# Altium PCB ushio_rp2040.PcbDoc (continued)
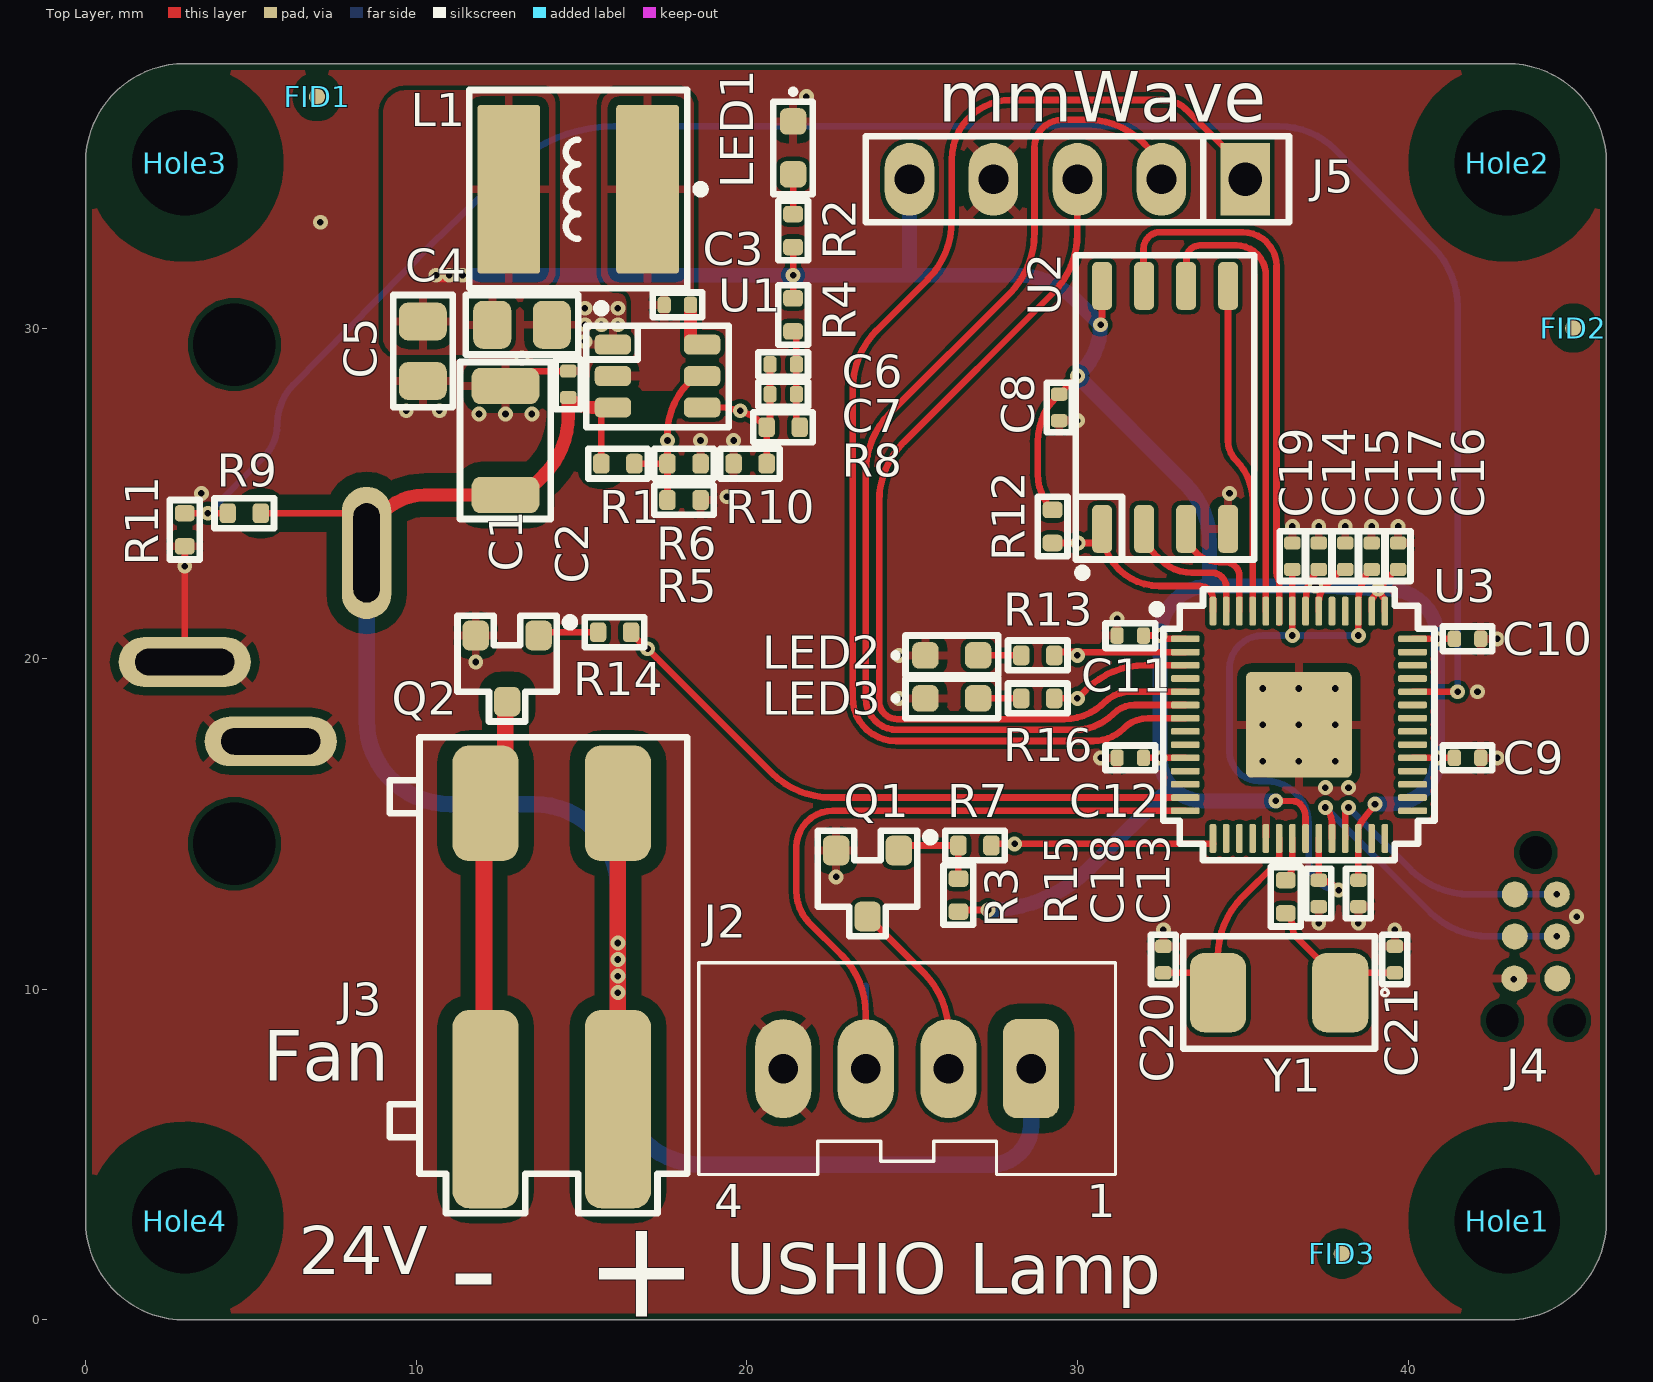
[diagram p0: Top Layer view]
## Components (designator, comment, footprint, x,y, rotation, side; value= is the part's Value field where it differs from the comment)
C1 "GRM32EC72A106KE05L" 1210_capacitor 12.7,26.6 r270 top
C2 "GRM155R61H474KE11D" 0402_capacitor 14.6,28.3 r270 top
C3 "GRM155R71E104KE14D" 0402_capacitor 17.9,30.7 r0 top
C4 "GRT21BR61E226ME13L" 0805_capacitor 13.2,30.1 r180 top value=22μF
C5 "GRT21BR61E226ME13L" 0805_capacitor 10.2,29.3 r90 top value=22μF
C6 "GCM1555C1H300FA16D" 0402_capacitor 21.1,28.9 r0 top value=30pF
C7 "GCM1555C1H300FA16D" 0402_capacitor 21.1,28 r0 top value=30pF
C8 "GRM155R71E104KE14D" 0402_capacitor 29.45,27.6 r90 top
C9 "GRM155R71E104KE14D" 0402_capacitor 41.8,17 r180 top
C10 "GRM155R71E104KE14D" 0402_capacitor 41.8,20.6 r180 top
C11 "GRM155R71E104KE14D" 0402_capacitor 31.6,20.7 r0 top
C12 "GRM155R71E104KE14D" 0402_capacitor 31.6,17 r0 top
C13 "GRM155R71E104KE14D" 0402_capacitor 38.5,12.9 r90 top
C14 "GRM155R71E104KE14D" 0402_capacitor 37.3,23.1 r270 top
C15 "GRM155R71E104KE14D" 0402_capacitor 38.1,23.1 r270 top
C16 "GRM155R61E105KA12D" 0402_capacitor 39.7,23.1 r270 top
C17 "GRM155R61E105KA12D" 0402_capacitor 38.9,23.1 r270 top
C18 "GRM155R71E104KE14D" 0402_capacitor 37.3,12.9 r90 top
C19 "GRM155R71E104KE14D" 0402_capacitor 36.5,23.1 r270 top
C20 "GCM1555C1H300FA16D" 0402_capacitor 32.6,10.9 r270 top value=30pF
C21 "GCM1555C1H300FA16D" 0402_capacitor 39.6,10.9 r270 top value=30pF
FID1 "FID?" fiducial-0.5 7,37 r90 top
FID2 "FID?" fiducial-0.5 45,30 r90 top
FID3 "FID?" fiducial-0.5 38,2 r90 top
Hole1 "M3" m3_hole_no_pad 43,3 r0 top
Hole2 "M3" m3_hole_no_pad 43,35 r0 top
Hole3 "M3" m3_hole_no_pad 3,35 r0 top
Hole4 "M3" m3_hole_no_pad 3,3 r0 top
J1 "DC0053" DC0053 4.5,23.2 r180 bottom
J2 "USHIO Lamp" B04B-XASK-1 24.85,7.6 r180 top
J3 "Fan" 2834006-2 14.1,11 r270 top
J4 "Cortex Debug" debug_header 43.865,14.14 r270 top
J5 "mmWave" 69190-105HLF 30,34.5 r180 top
L1 "NRS6045T220MMGKV" 2424_inductor 14.9,34.2 r180 top
LED1 "LTST-C191TGKT" 0603_diode 21.4,35.45 r90 top
LED2 "150060RS75000" 0603_diode 26.2,20.1 r180 top
LED3 "150060RS75000" 0603_diode 26.2,18.8 r180 top
Q1 "DMN3404L-7" SOT-23-3 23.65,13.2 r270 top
Q2 "DMN3404L-7" SOT-23-3 12.75,19.701 r270 top
R1 "RC0402FR-071ML" 0402_resistor 16.1,25.9 r180 top
R2 "RMCF0402FT100R" 0402_resistor 21.4,32.95 r270 top
R3 "RMCF0402FT10K0" 0402_resistor 26.4,12.85 r90 top
R4 "RMCF0402FT49R9" 0402_resistor 21.4,30.4 r90 top
R5 "RMCF0402FT100K" 0402_resistor 18.1,24.8 r180 top value=100kΩ
R6 "RMCF0402FT100K" 0402_resistor 18.1,25.9 r180 top value=100kΩ
R7 "RMCF0402FT100R" 0402_resistor 26.9,14.35 r180 top
R8 "RMCF0402FT100K" 0402_resistor 21.1,27 r0 top value=100kΩ
R9 "RMCF0402FT100K" 0402_resistor 4.8,24.4 r0 top value=100kΩ
R10 "RMCF0402FT22K1" 0402_resistor 20.1,25.9 r0 top value=22.1kΩ
R11 "RMCF0402FT10K0" 0402_resistor 3,23.9 r90 top
R12 "RMCF0402FT10K0" 0402_resistor 29.25,24 r90 top
R13 "RMCF0402FT100R" 0402_resistor 28.8,20.1 r0 top
R14 "RMCF0402FT100R" 0402_resistor 16,20.8 r180 top
R15 "CR0402-FX-1001GLF" 0402_resistor 36.3,12.8 r90 top
R16 "RMCF0402FT100R" 0402_resistor 28.8,18.8 r0 top
TP1 "test_point-1" test_point-1 10.4,24.9 r180 bottom
TP2 "test_point-1" test_point-1 12.4,32.1 r90 bottom
TP3 "test_point-1" test_point-1 17.2,26.1 r180 bottom
TP4 "test_point-1" test_point-1 20.3,27.9 r90 bottom
TP5 "test_point-1" test_point-1 23.6,10.1 r0 bottom
TP6 "test_point-1" test_point-1 7.1,33.2 r90 bottom
TP7 "test_point-1" test_point-1 27.5,14.7 r90 bottom
TP8 "test_point-1" test_point-1 8.9,30.9 r90 bottom
TP9 "test_point-1" test_point-1 29.6,23 r0 bottom
TP10 "test_point-1" test_point-1 29.5,20.5 r90 bottom
TP11 "test_point-1" test_point-1 17.4,20.8 r0 bottom
TP12 "test_point-1" test_point-1 30.2,18.2 r90 bottom
U1 "Buck" SOT-23-6 17.3,28.55 r0 top
U2 "128 Mb Flash" SOIC-8_wide 32.65,27.6 r90 top
U3 "RP2040" QFN-56 36.7,18 r0 top
Y1 "X50328MSB2GI" SMD-5032 36.1,9.9 r180 top

## Footprints (in the part's own frame and the unit in brackets; to place one, negate y for a bottom-side part, rotate by r counter-clockwise, add the part's x,y. Pads: shape width x height; smd on the part's side, far side on the other; paste and mask are expansions set on the pad)
0402_capacitor [mm] "0402 chip capacitor"
  rrect50% 0.4x0.5 smd: 1(-0.4,0) 2(0.4,0)
  silkscreen extent -0.75,-0.38 0.75,0.38, body extent -0.53,-0.28 0.53,0.28, height 0.55
0402_resistor [mm] "Chip Resistor, 2-Leads, Body 1.00x0.50mm, IPC Medium Density"
  rrect50% 0.5x0.6 smd: 1(-0.5,0) 2(0.5,0)
  silkscreen extent -0.9,-0.45 0.9,0.45, body extent -0.53,-0.28 0.53,0.28, height 0.4
0603_diode [mm]
  rrect50% 0.8x0.8 smd: 1(-0.8,0) 2(0.8,0)
  silkscreen extent -1.4,-0.6 1.76,0.6, body extent -0.8,-0.4 0.8,0.4, height 0.7
0805_capacitor [mm] "Chip Capacitor, 2-Leads, Body 2.00x1.25mm, IPC Medium Density"
  rrect50% 1.15x1.45 smd: 1(-0.9,0) 2(0.9,0)
  silkscreen extent -1.7,-0.9 1.7,0.9, body extent -1.15,-0.72 1.15,0.72, height 0.95
1210_capacitor [mm] "1210 chip capacitor"
  rrect50% 1.1x2.05 smd: 1(-1.65,0) 2(1.65,0)
  silkscreen extent -2.37,-1.38 2.37,1.38, body extent -1.75,-1.35 1.75,1.35, height 2.7
2424_inductor [mm] "Precision Wire Wound Inductor, 2-Leads, Body 6.00x6.00mm, IPC Medium Density"
  rrect10% 1.9x5.1 smd: 1(-2.1,0) 2(2.1,0)
  silkscreen extent -3.83,-3 3.3,3, body extent -3,-3 3,3, height 4.51
69190-105HLF [mm] "5-pin 0.1\" header"
  rect 1.5x2.2 hole 1.02: 1(-5.08,0)
  oval 1.5x2.2 hole 0.9: 2(-2.54,0) 3(0,0) 4(2.54,0) 5(5.08,0)
  silkscreen extent -6.4,-1.3 6.4,1.3, body extent -6.35,-1.2 6.35,1.2, height 8.39
2834006-2 [mm] "2-Pin spring clamp terminal"
  rrect50% 3.5x2 smd: 1(-4.625,2) 2(-4.625,-2)
  rrect50% 6x2 smd: 1(4.625,2) 2(4.625,-2)
  silkscreen extent -6.63,-4.9 7.78,4.1, body extent -6.33,-4.9 7.52,4.05, height 4.49
B04B-XASK-1 [mm] "JST XA 2.5mm header"
  rrect50% 1.7x3 hole 0.9: 1(-3.75,0)
  oval 1.7x3 hole 0.9: 2(-1.25,0) 3(1.25,0) 4(3.75,0)
  silkscreen extent -6.3,-3.2 6.3,3.2, body extent -6.25,-3.2 6.25,3.2, height 8.81
DC0053 [mm] "5.5mm x 2 mm Barrel jack"
  oval 4x1.5 hole 0.8 slot 3 at 0 deg: 2(1.5,-3.3) 3(-1.1,-5.7)
  oval 1.5x4 hole 0.8 slot 3 at 90 deg: 5(-4,0)
  round 0 hole 2.5 unplated: ""(0,-8.8) ""(0,6.3)
  silkscreen extent -5,-11.2 4.5,8.8, body extent -4.5,-11.2 4.5,8.8, height 11.91
debug_header [mm]
  round 0.787 smd paste-2: 1(1.27,-0.635) 2(1.27,0.635) 3(2.54,-0.635) 4(2.54,0.635) 5(3.81,-0.65) 6(3.81,0.65)
  round 0 hole 0.991 unplated: ""(0,0) ""(5.08,-1.016) ""(5.08,1.016)
fiducial-0.5 [mm] "0.5mm diameter fiducial"
  round 0.5 smd paste-1 mask+0.5: ""(0,0)
m3_hole_no_pad [mm] "M3 hole, no pad"
  round 0 hole 3.2 unplated mask+1.3: ""(0,0)
  Multi-Layer pour cut-out: 0,-3 1.148,-2.772 2.121,-2.121 2.772,-1.148 3,0 3,0 2.772,1.148 2.121,2.121 1.148,2.772 0,3 0,3 -1.148,2.772 -2.121,2.121 -2.772,1.148 -3,0 -3,0 -2.598,-1.5 -1.5,-2.598 0,-3
QFN-56 [mm]
  rrect50% 0.875x0.2 smd: 1(-3.437,2.6) 2(-3.437,2.2) 3(-3.437,1.8) 4(-3.437,1.4) 5(-3.437,1) 6(-3.437,0.6) 7(-3.437,0.2) 8(-3.437,-0.2) 9(-3.437,-0.6) 10(-3.437,-1) 11(-3.437,-1.4) 12(-3.437,-1.8) 13(-3.437,-2.2) 14(-3.437,-2.6) 29(3.438,-2.6) 30(3.438,-2.2) 31(3.438,-1.8) 32(3.438,-1.4) 33(3.438,-1) 34(3.438,-0.6) 35(3.438,-0.2) 36(3.438,0.2) 37(3.438,0.6) 38(3.438,1) 39(3.438,1.4) 40(3.438,1.8) 41(3.438,2.2) 42(3.438,2.6)
  rrect50% 0.2x0.875 smd: 15(-2.6,-3.438) 16(-2.2,-3.438) 17(-1.8,-3.438) 18(-1.4,-3.438) 19(-1,-3.438) 20(-0.6,-3.438) 21(-0.2,-3.438) 22(0.2,-3.438) 23(0.6,-3.438) 24(1,-3.438) 25(1.4,-3.438) 26(1.8,-3.438) 27(2.2,-3.438) 28(2.6,-3.438) 43(2.6,3.437) 44(2.2,3.437) 45(1.8,3.437) 46(1.4,3.437) 47(1,3.437) 48(0.6,3.437) 49(0.2,3.437) 50(-0.2,3.437) 51(-0.6,3.437) 52(-1,3.437) 53(-1.4,3.437) 54(-1.8,3.437) 55(-2.2,3.437) 56(-2.6,3.437)
  rrect10% 3.2x3.2 smd: EP(0,0)
  silkscreen extent -4.42,-4.1 4.1,4.1, body extent -3.5,-3.5 3.5,3.5, height 0.9
SMD-5032 [mm]
  rrect50% 1.7x2.4 smd: 1(-1.85,0) 2(1.85,0)
  silkscreen extent -3.3,-1.7 2.9,1.7, body extent -2.5,-1.6 2.5,1.6, height 1.35
SOIC-8_wide [mm]
  rrect50% 1.45x0.6 smd: 1(-3.675,1.905) 2(-3.675,0.635) 3(-3.675,-0.635) 4(-3.675,-1.905) 5(3.675,-1.905) 6(3.675,-0.635) 7(3.675,0.635) 8(3.675,1.905)
  silkscreen extent -5.12,-2.7 4.6,2.7, body extent -3.95,-2.7 3.95,2.7, height 2.16
SOT-23-3 [mm]
  rrect50% 0.9x0.8 smd: 1(-1,0.95) 2(-1,-0.95) 3(1,0)
  silkscreen extent -1.6,-1.5 1.6,2.02, body extent -1.32,-1.52 1.32,1.52, height 1.22
SOT-23-6 [mm]
  rrect50% 1.1x0.6 smd: 1(-1.35,0.95) 2(-1.35,0) 3(-1.35,-0.95) 4(1.35,-0.95) 5(1.35,0) 6(1.35,0.95)
  silkscreen extent -2.16,-1.55 2.16,2.17, body extent -1.53,-1.53 1.53,1.53, height 1.1
test_point-1 [mm] "Test point"
  round 1 smd paste-1 mask+0: 1(0,0)

## Part data
C1: "10 µF, 100 V, 1210 Ceramic capacitor", Capacitance="10 µF", Case Code (Imperial)=1210, Case Code (Metric)=3225, Manufacturer=Murata, Max Operating Temperature=125°C, Min Operating Temperature=-55°C, Supplier Part Number 1=490-16266-1-ND, Tolerance=10%, Voltage Rating=100V, Case/Package=1210, ComponentLink1Description=http://search.murata.co.jp/Ceramy/image/img/A01X/G101/ENG/GRM32EC72A106KE05-01.pdf?src-supplier=Digi-Key, ComponentLink1URL=http://search.murata.co.jp/Ceramy/image/img/A01X/G101/ENG/GRM32EC72A106KE05-01.pdf?src-supplier=Digi-Key, Manufacturer Part Number=GRM32EC72A106KE05L, Mount="Surface Mount", Packaging="Tape and Reel", Pricing 1="1=1.38, 10=1.087, 100=0.8151, 500=0.61582 (USD)", Stock 1=4827, Supplier 1=Digi-Key
C2: "470 nF, 50 V, X5R, 0402 Chip capacitor", Capacitance=470nF, Dielectric=X5R, Manufacturer=Murata, Package=0402, Supplier Part Number 1=490-16354-1-ND, Tolerance=10%, Voltage Rating (DC)=50V, Category="Ceramic Capacitors", ComponentLink1Description=http://search.murata.co.jp/Ceramy/image/img/A01X/G101/ENG/GRM155R61H474KE11-01.pdf?src-supplier=Digi-Key, ComponentLink1URL=http://search.murata.co.jp/Ceramy/image/img/A01X/G101/ENG/GRM155R61H474KE11-01.pdf?src-supplier=Digi-Key, ComponentLink2Description=https://search.murata.co.jp/Ceramy/image/img/A01X/G101/ENG/GRM155R61H474KE11-01.pdf?src-supplier=Digi-Key, ComponentLink2URL=https://search.murata.co.jp/Ceramy/image/img/A01X/G101/ENG/GRM155R61H474KE11-01.pdf?src-supplier=Digi-Key, house_part_number=C-470nF-0402-002, Length=1mm, Manufacturer Part Number=GRM155R61H474KE11D, Pricing 1="1=0.20000, 10=0.14600, 50=0.08260, 100=0.06840, 500=0.04798, 1000=0.03972, 2500=0.03696, 5000=0.03382 (USD)", RoHS=Yes, RoHS Compliant=Yes, Supplier 1=Digi-Key, Thickness=500um, Width=500um
C3 C8 C9 C10 C11 C12 C13 C14 C15 C18 C19: "100 nF, 25 V, X7R, 0402 Chip capacitor", Capacitance=100nF, Case Code (Imperial)=0402, Case Code (Metric)=1005, Dielectric=X7R, Dielectric Material=Ceramic, Manufacturer=Murata, Max Operating Temperature=125°C, Min Operating Temperature=-55°C, Package Quantity=10000, Supplier Part Number 1=490-10698-1-ND, Tolerance=10%, Voltage=25V, Case/Package=0402, Category="Ceramic Capacitors", ComponentLink1Description=http://www.farnell.com/datasheets/1872206.pdf?src-supplier=Farnell, ComponentLink1URL=http://www.farnell.com/datasheets/1872206.pdf?src-supplier=Farnell, ComponentLink2Description=http://components.arrow.com/part/dataview/0323_06361249?src-supplier=Arrow+Europe, ComponentLink2URL=http://components.arrow.com/part/dataview/0323_06361249?src-supplier=Arrow+Europe, ComponentLink3Description=http://uk.rs-online.com/webdocs/144c/0900766b8144c113.pdf?src-supplier=RSComponents, ComponentLink3URL=http://uk.rs-online.com/webdocs/144c/0900766b8144c113.pdf?src-supplier=RSComponents, ComponentLink4Description=http://www.farnell.com/datasheets/2048008.pdf?src-supplier=Farnell, ComponentLink4URL=http://www.farnell.com/datasheets/2048008.pdf?src-supplier=Farnell, ComponentLink5Description=http://www.mouser.com/ds/2/281/c02e-2905.pdf?src-supplier=Mouser, ComponentLink5URL=http://www.mouser.com/ds/2/281/c02e-2905.pdf?src-supplier=Mouser, ComponentLink6Description=http://www.farnell.com/datasheets/2048008.pdf?src-supplier=Newark, ComponentLink6URL=http://www.farnell.com/datasheets/2048008.pdf?src-supplier=Newark, ComponentLink7Description=https://search.murata.co.jp/Ceramy/image/img/A01X/G101/ENG/GRM155R71E104KE14-01.pdf?src-supplier=Digi-Key, ComponentLink7URL=https://search.murata.co.jp/Ceramy/image/img/A01X/G101/ENG/GRM155R71E104KE14-01.pdf?src-supplier=Digi-Key, ComponentLink8Description=http://www.farnell.com/datasheets/2048008.pdf?src-supplier=Element14, ComponentLink8URL=http://www.farnell.com/datasheets/2048008.pdf?src-supplier=Element14, ComponentLink9Description=http://psearch.en.murata.com/capacitor/product/GRM155R71E104KE14%23.pdf?src-supplier=Avnet, ComponentLink9URL=http://psearch.en.murata.com/capacitor/product/GRM155R71E104KE14%23.pdf?src-supplier=Avnet, Depth=0.5mm, Height=0.5mm, house_part_number=C-100nF-0402-002, Lead Free="Lead Free", Length=1mm, Manufacturer Part Number=GRM155R71E104KE14D, Mount="Surface Mount", Packaging="Tape and Reel", Pricing 1="1=0.10000, 10=0.02700, 50=0.01460, 100=0.01190, 500=0.00848, 1000=0.00666, 2500=0.00605, 5000=0.00557 (USD)", REACH SVHC=Unknown, Resistor Type=Ceramic, RoHS=Yes, RoHS Compliant=Yes, Supplier 1=Digi-Key, Termination=SMD/SMT, Thickness=0.022inch, Voltage Rating=25V, Voltage Rating (DC)=25V, Weight=0.000212oz, Width=0.02inch
C4 C5: "22 μF, 25 V, X5R, 0805 Chip capacitor", Capacitor Type=Ceramic, Case/Package=0805, Manufacturer=Murata, Max Operating Temperature=85°C, Min Operating Temperature=-55°C, Package Shape=Rectangular, Rated DC Voltage (URdc)=25V, Supplier Part Number 1=490-12389-1-ND, Temperature Characteristics Code=X5R, Tolerance  (fill in as +-)=20%, Category="Ceramic Capacitors", ComponentLink1Description=https://datasheet.ciiva.com:443/pdfs/VipMasterIC/IC/MURE/MURE-S-A0004410517/MURE-S-A0004413512-1.pdf?src-supplier=IHS+Markit, ComponentLink1URL=https://datasheet.ciiva.com:443/pdfs/VipMasterIC/IC/MURE/MURE-S-A0004410517/MURE-S-A0004413512-1.pdf?src-supplier=IHS+Markit, ComponentLink2Description=http://search.murata.co.jp/Ceramy/image/img/A01X/G101/ENG/GRT21BR61E226ME13-01.pdf?src-supplier=Digi-Key, ComponentLink2URL=http://search.murata.co.jp/Ceramy/image/img/A01X/G101/ENG/GRT21BR61E226ME13-01.pdf?src-supplier=Digi-Key, Dielectric Material=Ceramic, JESD-609 Code=e3, Manufacturer Part Number=GRT21BR61E226ME13L, Mounting Technology="Surface Mount", Multilayer=Yes, Packaging="Tape and Reel", Pins=2, Pricing 1="1=0.48, 10=0.338, 50=0.2558, 100=0.2228, 500=0.16508, 1000=0.14031 (USD)", Reach SVHC Compliant=Yes, Reference Standard=AEC-Q200, RoHS=Yes, RoHS Compliant=Yes, Stock 1=1983731, Supplier 1=Digi-Key, Terminal Finish=Nickel, Termination=Wraparound, Tolerance (fill in as +-)=20%
C6 C7 C20 C21: "30 pF, 50 V, C0G, 0402 Chip capacitor", Capacitor Type=Ceramic, Case/Package=0402, Manufacturer=Murata, Max Operating Temperature=125°C, Min Operating Temperature=-55°C, Package Shape=Rectangular, Rated DC Voltage (URdc)=50V, Supplier Part Number 1=C2987943, Temperature Characteristics Code=C0G, Tolerance  (fill in as +-)=1%, Category="Ceramic Capacitors", ComponentLink1Description=https://psearch.en.murata.com:443/capacitor/product/GCM1555C1H300FA16%23.pdf?src-supplier=IHS+Markit, ComponentLink1URL=https://psearch.en.murata.com:443/capacitor/product/GCM1555C1H300FA16%23.pdf?src-supplier=IHS+Markit, Dielectric Material=Ceramic, Manufacturer Part Number=GCM1555C1H300FA16D, Mounting Technology="Surface Mount", Multilayer=Yes, Packaging="Tape and Reel", Pins=2, Pricing 1="20=0.0242, 200=0.0198, 600=0.0174, 2000=0.0159, 10000=0.0143, 20000=0.0137 (USD)", Reach SVHC Compliant=Yes, Reference Standard=AEC-Q200, RoHS=Yes, RoHS Compliant=Yes, Stock 1=20680, Supplier 1=LCSC, Termination=Wraparound, Tolerance (fill in as +-)=1%
C16 C17: "1 µF, 25 V, X5R, 0402 Chip capacitor", Capacitance=1µF, Capacitor Type=Ceramic, Manufacturer=Murata, Max Operating Temperature=85°C, Min Operating Temperature=-55°C, Negative Tolerance=10%, Package Shape=Rectangular, Package Style=SMTMeter, Supplier Part Number 1=490-10017-1-ND, Temperature Characteristics Code=X5R, Voltage=25V, Category="Ceramic Capacitors", ComponentLink1Description=https://datasheet.ciiva.com:443/pdfs/VipMasterIC/IC/MURE/MURE-S-A0004362469/MURE-S-A0004364524-1.pdf?src-supplier=IHS+Markit, ComponentLink1URL=https://datasheet.ciiva.com:443/pdfs/VipMasterIC/IC/MURE/MURE-S-A0004362469/MURE-S-A0004364524-1.pdf?src-supplier=IHS+Markit, ComponentLink2Description=https://datasheet.ciiva.com/7719/1666664-7719006.pdf?src-supplier=Element14, ComponentLink2URL=https://datasheet.ciiva.com/7719/1666664-7719006.pdf?src-supplier=Element14, ComponentLink3Description=https://datasheet.ciiva.com/22732/1666664-22732122.pdf?src-supplier=Element14, ComponentLink3URL=https://datasheet.ciiva.com/22732/1666664-22732122.pdf?src-supplier=Element14, Dielectric Material=Ceramic, Height=0.5mm, house_part_number=C-1uF-0402-002, JESD-609 Code=e3, Length=1mm, Manufacturer Part Number=GRM155R61E105KA12D, Mount="Surface Mount", Multilayer=Yes, Number of Pins=2, Packaging="Tape and Reel", Positive Tolerance=10%, Pricing 1="1=0.11000, 10=0.08300, 50=0.04560, 100=0.03720, 500=0.02656, 1000=0.02087, 2500=0.01898, 5000=0.01746 (USD)", REACH SVHC=Yes, RoHS=Yes, RoHS Compliant=Yes, Size Code=0402, Stock 1=145965, Supplier 1=Digi-Key, Terminal Finish=Nickel, Termination=Wraparound, Width=0.5mm
FID1 FID2 FID3: library part fiducial-0.5, "0.5mm round fiducial", Package=0.5mm
Hole1 Hole2 Hole3 Hole4: library part m3_hole_no_pad, "M3 clearance hole", pickable=no
J1: "5.5 mm x 2 mm Barrel jack", Manufacturer="SHOU HAN", Supplier Part Number 1=C668601, Category=Uncategorized, Manufacturer Part Number=DC0053, Pricing 1="5=0.0927, 50=0.0762, 150=0.0679, 500=0.0565, 2500=0.0515, 5000=0.0491 (USD)", RoHS=No, Stock 1=2415, Supplier 1=LCSC
J2: library part B04B-XASK-1, "4-pin JST XA header, 2.5mm pitch, through-hole", Manufacturer=JST, Supplier Part Number 1=455-B04B-XASK-1-ND, Category=Connectors, ComponentLink1Description=https://datasheet.ciiva.com/719/exa1-719638.pdf?src-supplier=Digi-Key, ComponentLink1URL=https://datasheet.ciiva.com/719/exa1-719638.pdf?src-supplier=Digi-Key, Manufacturer Part Number=B04B-XASK-1, Pricing 1="1=0.32, 10=0.269, 100=0.2093, 500=0.17938, 1000=0.14948, 5000=0.12812, 10000=0.11958 (USD)", RoHS=No, Stock 1=159148, Supplier 1=Digi-Key
J3: library part 2834006-2, "2-Pin Barrier Strip Terminal Block", Manufacturer="TE Connectivity", Supplier Part Number 1=C86483, Category=Connectors, ComponentLink1Description=https://datasheet.ciiva.com:443/pdfs/VipMasterIC/IC/TYEL/TYEL-S-A0008901127/TYEL-S-A0008894062-1.pdf?src-supplier=IHS+Markit, ComponentLink1URL=https://datasheet.ciiva.com:443/pdfs/VipMasterIC/IC/TYEL/TYEL-S-A0008901127/TYEL-S-A0008894062-1.pdf?src-supplier=IHS+Markit, ComponentLink2Description=http://www.mouser.com/ds/2/418/NG_CD_2834006_A-773085.pdf?src-supplier=Mouser, ComponentLink2URL=http://www.mouser.com/ds/2/418/NG_CD_2834006_A-773085.pdf?src-supplier=Mouser, ComponentLink3Description=http://www.farnell.com/datasheets/2299783.pdf?src-supplier=Farnell, ComponentLink3URL=http://www.farnell.com/datasheets/2299783.pdf?src-supplier=Farnell, ComponentLink4Description=http://www.farnell.com/datasheets/2299783.pdf?src-supplier=Element14, ComponentLink4URL=http://www.farnell.com/datasheets/2299783.pdf?src-supplier=Element14, ComponentLink5Description=http://www.farnell.com/datasheets/2017940.pdf?src-supplier=Element14, ComponentLink5URL=http://www.farnell.com/datasheets/2017940.pdf?src-supplier=Element14, ComponentLink6Description=https://www.te.com/commerce/DocumentDelivery/DDEController?Action=srchrtrv&amp;DocNm=2834006&amp;DocType=Customer+Drawing&amp;DocLang=English&src-supplier=Digi-Key, ComponentLink6URL=https://www.te.com/commerce/DocumentDelivery/DDEController?Action=srchrtrv&amp;DocNm=2834006&amp;DocType=Customer+Drawing&amp;DocLang=English&src-supplier=Digi-Key, Manufacturer Part Number=2834006-2, Pricing 1="1=0.4073, 10=0.3326, 30=0.3007, 100=0.261, 500=0.2212, 800=0.21 (USD)", Reach SVHC Compliant=Yes, RoHS=Yes, RoHS Compliant=Yes, Stock 1=6498, Supplier 1=LCSC, Terminal and Terminal Block Type="BARRIER STRIP TERMINAL BLOCK"
J4: library part debug_header, "Tag-connect 6-pin pogo header", pickable=no
J5: library part 69190-105HLF, "5-pin 0.1\" unshrouded header pins", Flammability Rating="UL94 V-0", Insulation Color=Black, Manufacturer="Amphenol ICC / FCI", Manufacturer Series=69190, Supplier Part Number 1=609-69190-105HLF-ND, Body Breadth=0.095inch, Body Depth=0.1inch, Body Length=0.5inch, Category=Connectors, ComponentLink1Description=https://datasheet.ciiva.com/721/69190-721296.pdf?src-supplier=Digi-Key, ComponentLink1URL=https://datasheet.ciiva.com/721/69190-721296.pdf?src-supplier=Digi-Key, Connector Type="BOARD CONNECTOR", Contact Finish - Termination="GOLD (30) OVER NICKEL/NICKEL PALLADIUM GOLD (30) OVER NICKEL", Contact Gender=Male, Contact Material=Bronze, Contact Pattern=RECTANGULAR, Contact Style="SQ PIN-SKT", DIN Conformance=No, Filter Feature=No, IEC Conformance=No, JESD-609 Code=e4, Manufacturer Part Number=69190-105HLF, Mating Contact Pitch=0.1inch, MIL Conformance=No, Mixed Contacts=No, Mounting Option 1=LOCKING, Mounting Style=STRAIGHT, Mounting Technology=Board, Number Of Connectors=1, Number of Contacts=5, Number Of PCB Rows=1, Number of Rows Loaded=1, Option="General Purpose", PCB Contact Pattern=RECTANGULAR, Plating Thickness=30uin, Pricing 1="1=0.47, 10=0.402, 100=0.3123, 500=0.26768, 1000=0.22306, 5000=0.19119, 10000=0.17845 (USD)", Reach SVHC Compliant=Yes, Reference Standard=UL, Reliability=COMMERCIAL, RoHS=Yes, RoHS Compliant=Yes, Stock 1=3670, Supplier 1=Digi-Key, Terminal Length=0.12inch, Terminal Pitch=2.54mm, Termination=Solder
L1: "22 μH, 2 A, 20%, 2424 Inductor", Case/Size Code=2424, DC Resistance (DCR)=139.1mΩ, Inductance-Nom (L)=22μH, Inductor Application="RF INDUCTOR", Inductor Type="GENERAL PURPOSE INDUCTOR", Manufacturer="Taiyo Yuden", Max Current Rating=2A, Max Operating Temperature=125°C, Min Operating Temperature=-40°C, Self Resonant Frequency=7MHz, Supplier Part Number 1=C515390, Test Frequency=100kHz, Tolerance=20%, Category="Fixed Inductors", Channels=1, ComponentLink1Description=https://datasheet.ciiva.com:443/pdfs/VipMasterIC/IC/TAIY/TAIY-S-A0009101225/TAIY-S-A0009101504-1.pdf?src-supplier=IHS+Markit, ComponentLink1URL=https://datasheet.ciiva.com:443/pdfs/VipMasterIC/IC/TAIY/TAIY-S-A0009101225/TAIY-S-A0009101504-1.pdf?src-supplier=IHS+Markit, ComponentLink2Description=https://datasheet.ciiva.com/29697/nrs6045t220mmgkv-ss-29697444.pdf?src-supplier=Digi-Key, ComponentLink2URL=https://datasheet.ciiva.com/29697/nrs6045t220mmgkv-ss-29697444.pdf?src-supplier=Digi-Key, Manufacturer Part Number=NRS6045T220MMGKV, Pins=2, Pricing 1="1=0.2713, 10=0.2238, 30=0.2035, 100=0.1781, 500=0.1668, 1500=0.16 (USD)", Reach SVHC Compliant=Yes, Reference Standard=AEC-Q200, RoHS=Yes, RoHS Compliant=Yes, Shape/Size Description="RECTANGULAR PACKAGE", Shielding=Unshielded, Stock 1=877, Supplier 1=LCSC, Surface Mount=Yes, Terminal Placement="Dual Ended", Termination="One Surface"
LED1: "Green LED, 0603", Color=Green, Forward Current-Max=20mA, Forward Voltage-Max=3.6V, Manufacturer="Vishay Lite-On", Max Operating Temperature=80°C, Min Operating Temperature=-20°C, Package=0603, Reverse Voltage-Max=5V, Supplier Part Number 1=160-1888-1-ND, Category=LEDs, Color@wavelength=Green, ComponentLink1Description=https://datasheet.ciiva.com:443/pdfs/VipMasterIC/IC/LITE/LITE-S-A0003155974/LITE-S-A0003155974-1.pdf?src-supplier=IHS+Markit, ComponentLink1URL=https://datasheet.ciiva.com:443/pdfs/VipMasterIC/IC/LITE/LITE-S-A0003155974/LITE-S-A0003155974-1.pdf?src-supplier=IHS+Markit, ComponentLink2Description=https://datasheet.ciiva.com/16444/ltst-c191tgkt-16444757.pdf?src-supplier=Future+Electronics, ComponentLink2URL=https://datasheet.ciiva.com/16444/ltst-c191tgkt-16444757.pdf?src-supplier=Future+Electronics, ComponentLink3Description=https://datasheet.ciiva.com/11773/0900766b80dc02b5-11773683.pdf?src-supplier=RSComponents, ComponentLink3URL=https://datasheet.ciiva.com/11773/0900766b80dc02b5-11773683.pdf?src-supplier=RSComponents, ComponentLink4Description=https://datasheet.ciiva.com/12403/lite-on-ltst-c191tgkt-190137-12403796.pdf?src-supplier=Mouser, ComponentLink4URL=https://datasheet.ciiva.com/12403/lite-on-ltst-c191tgkt-190137-12403796.pdf?src-supplier=Mouser, ComponentLink5Description=https://datasheet.ciiva.com/6352/s-110-ltst-c191tgkt-6352682.pdf?src-supplier=Digi-Key, ComponentLink5URL=https://datasheet.ciiva.com/6352/s-110-ltst-c191tgkt-6352682.pdf?src-supplier=Digi-Key, ComponentLink6Description=https://datasheet.ciiva.com/6352/s-110-ltst-c191tgkt-6352684.pdf?src-supplier=Digi-Key, ComponentLink6URL=https://datasheet.ciiva.com/6352/s-110-ltst-c191tgkt-6352684.pdf?src-supplier=Digi-Key, ComponentLink7Description=https://datasheet.ciiva.com/6352/s-110-ltst-c191tgkt-6352683.pdf?src-supplier=Digi-Key, ComponentLink7URL=https://datasheet.ciiva.com/6352/s-110-ltst-c191tgkt-6352683.pdf?src-supplier=Digi-Key, House Part Number=LTST-C191TGKT, JESD-609 Code=e3, Lens Style="WATER CLEAR", Luminous Intensity-Min=130cd, Luminous Intensity-Nom=260.5mcd, Manufacturer Part Number=LTST-C191TGKT, Mount="Surface Mount", Number of Functions=1, Number of Pins=2, Optoelectronic Device Type="SINGLE COLOR LED", Overall Height=0.55mm, Packaging="Tape and Reel", Pricing 1="1=0.53000, 10=0.32300, 100=0.18580, 1000=0.14544, 2000=0.13332 (USD)", Reach SVHC Compliant=Yes, RoHS=Yes, RoHS Compliant=Yes, Shape=Rectangular, Size=1.1mm, Stock 1=478546, Supplier 1=Digi-Key, Terminal Finish=Tin, Terminal Pitch=1.5mm, Viewing Angle=130°
LED2 LED3: "Red 0603 LED", Color=Red, Forward Current=20mA, Forward Voltage=2V, Manufacturer="Wurth Electronics", Max Operating Temperature=85°C, Min Operating Temperature=-40°C, Package=0603, Supplier Part Number 1=732-4978-1-ND, Category=LEDs, ComponentLink1Description=https://datasheet.ciiva.com:443/pdfs/VipMasterIC/IC/MIDC/MIDC-S-A0007768849/MIDC-S-A0007768849-1.pdf?src-supplier=IHS+Markit, ComponentLink1URL=https://datasheet.ciiva.com:443/pdfs/VipMasterIC/IC/MIDC/MIDC-S-A0007768849/MIDC-S-A0007768849-1.pdf?src-supplier=IHS+Markit, ComponentLink2Description=https://datasheet.ciiva.com/29563/150060rs75000-29563040.pdf?src-supplier=Digi-Key, ComponentLink2URL=https://datasheet.ciiva.com/29563/150060rs75000-29563040.pdf?src-supplier=Digi-Key, ComponentLink3Description=https://datasheet.ciiva.com/29279/759428-da-01-en-chipled-0603-w-kl-rot-150060rs75000-29279196.pdf?src-supplier=Conrad, ComponentLink3URL=https://datasheet.ciiva.com/29279/759428-da-01-en-chipled-0603-w-kl-rot-150060rs75000-29279196.pdf?src-supplier=Conrad, house_part_number=LED-red-0603-002, Lens Style="WATER CLEAR", Luminous Intensity-Nom=250mcd, Manufacturer Part Number=150060RS75000, Mount="Surface Mount", Number of Functions=1, Number of Pins=2, Optoelectronic Device Type="SINGLE COLOR LED", Overall Height=0.7mm, Packaging="Tape and Reel", Pricing 1="1=0.14000, 50=0.13300, 100=0.12000, 500=0.11400, 1000=0.09900 (USD)", REACH SVHC=Yes, RoHS=Yes, RoHS Compliant=Yes, Shape=Rectangular, Size=1.1mm, Stock 1=210449, Supplier 1=Digi-Key, Terminal Pitch=1.6mm, Viewing Angle=140°